# KiCad board AppleII.kicad_pcb (continued)
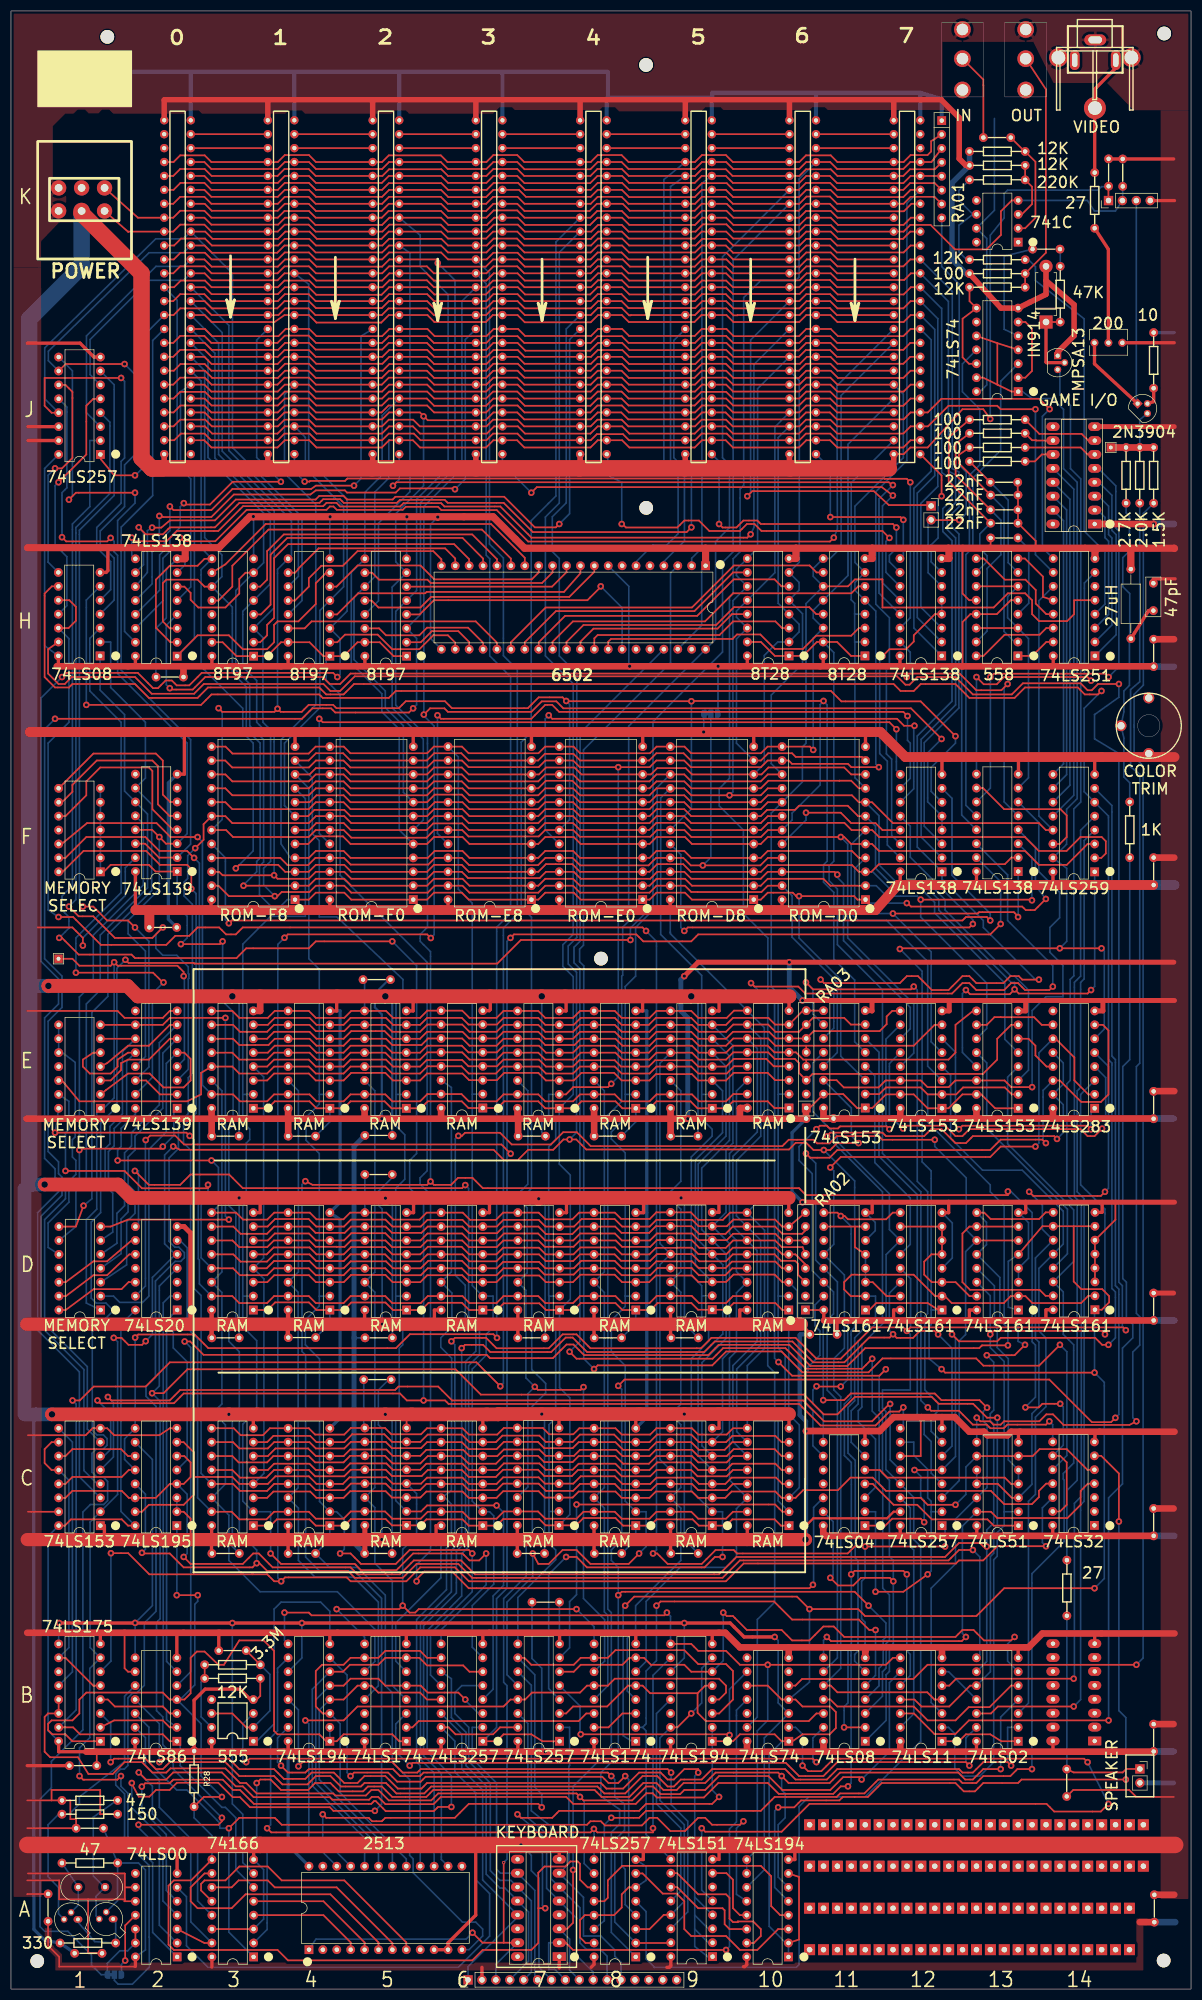
[diagram p0: board, top side]
## Footprints (pads in the part's own frame, mm; a bottom-side part is the same pattern mirrored in y, then rotated) (continued)
PinSocket_1x02_P2.54mm_Vertical
  rect 1.7x1.7 hole 1: 1(0,0)
  oval 1.7x1.7 hole 1: 2(0,-2.54)
Potentiometer_Bourns_3266Y_Vertical
  round 1.44 hole 0.8: 1(0,0) 2(-2.54,0) 3(-5.08,0)
POWER
  round 2.794 hole 1.397: 1(2.057,4.191) 2(-2.134,4.191) 3(2.057,0) 4(-2.159,0) 5(2.057,-4.191) 6(-2.159,-4.191)
R_Array_SIP8
  rect 1.6x1.6 hole 0.8: 1(0,0)
  oval 1.6x1.6 hole 0.8: 2(2.54,0) 3(5.08,0) 4(7.62,0) 5(10.16,0) 6(12.7,0) 7(15.24,0) 8(17.78,0)
R_Axial_DIN0207_L6.3mm_D2.5mm_P10.16mm_Horizontal
  round 1.6 hole 0.8: 1(0,0)
  oval 1.6x1.6 hole 0.8: 2(10.16,0)
SIP-24
  rect 2x2 hole 1: 1(-30.48,0) 2(-27.94,0) 3(-25.4,0) 4(-22.86,0) 5(-20.32,0) 6(-17.78,0) 7(-15.24,0) 8(-12.7,0) 9(-10.16,0) 10(-7.62,0) 11(-5.08,0) 12(-2.54,0) 13(0,0) 14(2.54,0) 15(5.08,0) 16(7.62,0) 17(10.16,0) 18(12.7,0) 19(15.24,0) 20(17.78,0) 21(20.32,0) 22(22.86,0) 23(25.4,0) 24(27.94,0)
SIP-25
  rect 2x2 hole 1: 1(-30.48,0) 2(-27.94,0) 3(-25.4,0) 4(-22.86,0) 5(-20.32,0) 6(-17.78,0) 7(-15.24,0) 8(-12.7,0) 9(-10.16,0) 10(-7.62,0) 11(-5.08,0) 12(-2.54,0) 13(0,0) 14(2.54,0) 15(5.08,0) 16(7.62,0) 17(10.16,0) 18(12.7,0) 19(15.24,0) 20(17.78,0) 21(20.32,0) 22(22.86,0) 23(25.4,0) 24(27.94,0) 25(30.48,0)
SolderJumper-3_P1.3mm_Bridged12_RoundedPad1.0x1.5mm
  custom 1.05x1.5 smd: 1(-1.3,0) 3(1.3,0)
  rect 1x1.5 smd: 2(0,0)
Standard_Edge_Connector
  round 1.524 hole 0.762: 1(2.54,-30.48) 2(2.54,-27.94) 3(2.54,-25.4) 4(2.54,-22.86) 5(2.54,-20.32) 6(2.54,-17.78) 7(2.54,-15.24) 8(2.54,-12.7) 9(2.54,-10.16) 10(2.54,-7.62) 11(2.54,-5.08) 12(2.54,-2.54) 13(2.54,0) 14(2.54,2.54) 15(2.54,5.08) 16(2.54,7.62) 17(2.54,10.16) 18(2.54,12.7) 19(2.54,15.24) 20(2.54,17.78) 21(2.54,20.32) 22(2.54,22.86) 23(2.54,25.4) 24(2.54,27.94) 25(2.54,30.48) 26(-2.311,30.48) 27(-2.311,27.94) 28(-2.311,25.4) 29(-2.311,22.86) 30(-2.311,20.32) 31(-2.311,17.78) 32(-2.311,15.24) 33(-2.311,12.7) 34(-2.311,10.16) 35(-2.311,7.62) 36(-2.311,5.08) 37(-2.311,2.54) 38(-2.311,0) 39(-2.311,-2.54) 40(-2.311,-5.08) 41(-2.311,-7.62) 42(-2.311,-10.16) 43(-2.311,-12.7) 44(-2.311,-15.24) 45(-2.311,-17.78) 46(-2.311,-20.32) 47(-2.311,-22.86) 48(-2.311,-25.4) 49(-2.311,-27.94) 50(-2.311,-30.48)
TestPoint_THTPad_1.5x1.5mm_Drill0.7mm
  rect 1.5x1.5 hole 0.7: 1(0,0)
TO-18-3
  oval 1.6x1.2 hole 0.7: 1(0,0)
  oval 1.2x1.2 hole 0.7: 2(1.27,-1.27) 3(2.54,0)
TO-92
  rect 1.3x1.3 hole 0.75: 1(0,0)
  round 1.3 hole 0.75: 2(1.27,1.27) 3(2.54,0)
VIDEO
  round 3.4 hole 2.5: 1(-6.68,3.353) 1(6.655,3.353)
  oval 4x2 hole 2.5x1.3: 1(-0.084,0.125)
  oval 1.8x3.6 hole 1x2.5: 2(-3.834,3.825) 3(3.666,3.825)
  round 4 hole 2.5: 2(-0.025,12.573)

## Nets
+5V: A2.14 A3.16 A5.24 A7.1 A8.16 A9.16 A10.16 B1.16 B2.14 B3.4 B3.8 B4.16 B5.16 B6.16 B7.16 B8.16 B9.16 B10.14 B11.14 B12.14 B13.14 B14.16 C1.16 C2.16 C3.9 C4.9 C5.9 C6.9 C7.9 C8.9 C9.9 C10.9 C11.14 C12.16 C13.14 C14.14 Cap1.1 Cap4.2 Cap16.2 Cap17.2 Cap18.2 Cap19.2 Cap27.2 Cap32.2 Cap33.2 Cap35.2 Cap41.2 Cap42.2 Cap43.2 Cap44.2 Cap45.2 Cap46.2 Cap47.2 Cap49.2 CP0.3 D2.14 D3.9 D4.9 D5.9 D6.9 D7.9 D8.9 D9.9 D10.9 D11.16 D12.16 D13.16 D14.16 E2.16 E3.9 E4.9 E5.9 E6.9 E7.9 E8.9 E9.9 E10.9 E11.16 E12.16 E13.16 E14.16 F2.16 F12.16 F13.16 F14.16 H1.14 H2.16 H3.16 H4.16 H5.16 H7.8 H10.16 H11.16 H12.16 H13.5 H13.13 H14.16 J1.16 J3.2 J13.14 J14.1 JP2.3 K13.7 Q1.2 R4.1 R9.1 R12.2 R28.1 RA01.1 RA02.1 ROM-D0.24 ROM-D8.24 ROM-E0.24 ROM-E8.24 ROM-F0.24 ROM-F8.24 SLOT0.25 SLOT1.25 SLOT2.25 SLOT3.25 SLOT4.25 SLOT5.25 SLOT6.25 SLOT7.25 SPKR1.2
+12V: C3.8 C4.8 C5.8 C6.8 C7.8 C8.8 C9.8 C10.8 Cap3.2 Cap14.2 Cap20.2 Cap22.2 Cap24.2 Cap25.2 Cap28.2 Cap29.2 Cap31.2 Cap34.2 Cap37.2 Cap38.2 Cap40.2 Cap48.1 CP0.4 D3.8 D4.8 D5.8 D6.8 D7.8 D8.8 D9.8 D10.8 E3.8 E4.8 E5.8 E6.8 E7.8 E8.8 E9.8 E10.8 J18.1 R1.1 SLOT0.50 SLOT1.50 SLOT2.50 SLOT3.50 SLOT4.50 SLOT5.50 SLOT6.50 SLOT7.50
-5V: A5.12 C3.1 C4.1 C5.1 C6.1 C7.1 C8.1 C9.1 C10.1 Cap13.2 Cap21.2 Cap23.2 Cap26.2 Cap30.2 Cap36.2 Cap39.2 CP0.6 D3.1 D4.1 D5.1 D6.1 D7.1 D8.1 D9.1 D10.1 E3.1 E4.1 E5.1 E6.1 E7.1 E8.1 E9.1 E10.1 J18.2 K13.4 SLOT0.34 SLOT1.34 SLOT2.34 SLOT3.34 SLOT4.34 SLOT5.34 SLOT6.34 SLOT7.34
-12V: A5.1 A7.15 CP0.5 J3.3 SLOT0.33 SLOT1.33 SLOT2.33 SLOT3.33 SLOT4.33 SLOT5.33 SLOT6.33 SLOT7.33
/Clock Generation/V0: D12.12 E11.4
/Clock Generation/V1: C11.3 D12.11 E11.12
/Clock Generation/V2: B12.3 C13.12 D11.14 E12.10
/Clock Generation/V3: B11.9 D11.13 E14.7 E14.14
/Clock Generation/V4: B11.10 B12.4 D11.12 E14.2 E14.11
GND: A2.7 A2.9 A2.10 A3.3 A3.8 A3.14 A5.10 A5.11 A7.8 A8.6 A8.8 A8.13 A8.15 A9.8 A10.8 B1.8 B2.7 B2.9 B3.1 B4.8 B5.8 B6.8 B7.8 B8.8 B9.8 B10.7 B11.7 B12.7 B13.7 B14.8 C1.1 C1.8 C1.15 C2.2 C2.3 C2.8 C3.16 C4.16 C5.16 C6.16 C7.16 C8.16 C9.16 C10.16 C11.7 C12.8 C12.11 C12.15 C13.7 C14.7 Cap1.2 Cap2.2 Cap3.1 Cap4.1 Cap5.2 Cap6.2 Cap7.2 Cap8.2 Cap9.2 Cap12.2 Cap13.1 Cap14.1 Cap15.1 Cap16.1 Cap17.1 Cap18.1 Cap19.1 Cap20.1 Cap21.1 Cap22.1 Cap23.1 Cap24.1 Cap25.1 Cap26.1 Cap27.1 Cap28.1 Cap29.1 Cap30.1 Cap31.1 Cap32.1 Cap33.1 Cap34.1 Cap35.1 Cap36.1 Cap37.1 Cap38.1 Cap39.1 Cap40.1 Cap41.1 Cap42.1 Cap43.1 Cap44.1 Cap45.1 Cap46.1 Cap47.1 Cap48.2 Cap49.1 CP0.1 CP0.2 CR1.2 CT3.1 D2.7 D3.16 D4.16 D5.16 D6.16 D7.16 D8.16 D9.16 D10.16 D11.6 D11.8 D12.4 D12.8 D13.3 D13.4 D13.8 D14.3 D14.4 D14.5 D14.6 D14.8 E2.8 E3.16 E4.16 E5.16 E6.16 E7.16 E8.16 E9.16 E10.16 E11.1 E11.8 E11.15 E12.1 E12.8 E12.15 E13.1 E13.8 E13.15 E14.8 F2.8 F2.15 F12.8 F13.8 F14.8 H1.7 H2.8 H3.8 H4.8 H5.8 H7.1 H7.21 H7.38 H10.8 H11.8 H12.8 H13.12 H14.8 J0.S J1.8 J1.14 J1.15 J2.S J3.7 J13.7 J14.8 J18.4 JP2.1 K14.1 L1.2 Q4.1 R2.2 R3.2 R11.3 R16.1 R17.1 R18.1 RA03.1 ROM-D0.12 ROM-D8.12 ROM-E0.12 ROM-E8.12 ROM-F0.12 ROM-F8.12 SLOT0.26 SLOT1.26 SLOT2.26 SLOT3.26 SLOT4.26 SLOT5.26 SLOT6.26 SLOT7.26
7M: A3.6 B1.15 B2.1 SLOT0.36 SLOT1.36 SLOT2.36 SLOT3.36 SLOT4.36 SLOT5.36 SLOT6.36 SLOT7.36
14M: A3.7 A10.11 B1.9 B2.8 B4.11 B9.11 B10.3 C2.10
/Address Decoder and Onboard IO/CASSETTE_IN: H14.4 R29.2
/Address Decoder and Onboard IO/Cassette_Out: F13.13 J13.11
/Address Decoder and Onboard IO/GamePort_ANN0: F14.9 J14.15
/Address Decoder and Onboard IO/GamePort_ANN1: F14.10 J14.14
/Address Decoder and Onboard IO/GamePort_ANN2: F14.11 J14.13
/Address Decoder and Onboard IO/GamePort_ANN3: F14.12 J14.12
/Address Decoder and Onboard IO/KBD0: A7.12 B6.11 J3.4
/Address Decoder and Onboard IO/KBD1: A7.13 B6.14 J3.1
/Address Decoder and Onboard IO/KBD2: A7.10 B6.2 J3.6
/Address Decoder and Onboard IO/KBD3: A7.11 B6.5 J3.5
/Address Decoder and Onboard IO/KBD4: A7.6 B7.11 J3.11
/Address Decoder and Onboard IO/KBD5: A7.5 B7.14 J3.10
/Address Decoder and Onboard IO/KBD6: A7.7 B7.2 J3.12
/Address Decoder and Onboard IO/PDL0: J14.6 R20.1
/Address Decoder and Onboard IO/PDL1: J14.10 R21.1
/Address Decoder and Onboard IO/PDL2: J14.7 R22.1
/Address Decoder and Onboard IO/PDL3: J14.11 R23.1
/Address Decoder and Onboard IO/SPKR_Out: F13.12 J13.3
/Address Decoder and Onboard IO/~{C000-C0FF}: F13.5 H2.4 H12.15
/Address Decoder and Onboard IO/~{GamePort_Strobe}: F13.11 J14.5
/Clock Generation/B1-1Q: B1.2 B2.2 D2.2
/Clock Generation/H0: A8.14 D14.14 E13.4
/Clock Generation/H1: D14.13 E13.12
/Clock Generation/H2: B13.3 D14.12 E12.4
/Clock Generation/H3: C13.3 C13.10 C13.11 D14.11 E14.5
/Clock Generation/H4: B12.2 C13.2 D13.14 E14.3
/Clock Generation/H5: C11.5 C13.4 C13.5 D13.13
/Connectors/DMA-OUT-3: SLOT3.24 SLOT4.27
/Connectors/INT-OUT-3: SLOT3.23 SLOT4.28
/CPU Tranceiver Driver and Data MUX/CPU_A0: H5.12 H7.9
/CPU Tranceiver Driver and Data MUX/CPU_A1: H4.4 H7.10
/CPU Tranceiver Driver and Data MUX/CPU_A2: H5.6 H7.11
/CPU Tranceiver Driver and Data MUX/CPU_A3: H5.10 H7.12
/CPU Tranceiver Driver and Data MUX/CPU_A4: H4.6 H7.13
/CPU Tranceiver Driver and Data MUX/CPU_A5: H3.10 H7.14
/CPU Tranceiver Driver and Data MUX/CPU_A6: H3.12 H7.15
/CPU Tranceiver Driver and Data MUX/CPU_A7: H3.6 H7.16
/CPU Tranceiver Driver and Data MUX/CPU_A8: H3.4 H7.17
/CPU Tranceiver Driver and Data MUX/CPU_A9: H3.2 H7.18
/CPU Tranceiver Driver and Data MUX/CPU_A10: H4.10 H7.19
/CPU Tranceiver Driver and Data MUX/CPU_A11: H4.12 H7.20
/CPU Tranceiver Driver and Data MUX/CPU_A12: H4.2 H7.22
/CPU Tranceiver Driver and Data MUX/CPU_A13: H5.2 H7.23
/CPU Tranceiver Driver and Data MUX/CPU_A14: H5.14 H7.24
/CPU Tranceiver Driver and Data MUX/CPU_A15: H4.14 H7.25
/CPU Tranceiver Driver and Data MUX/CPU_D0: H7.33 H11.3
/CPU Tranceiver Driver and Data MUX/CPU_D1: H7.32 H10.3
/CPU Tranceiver Driver and Data MUX/CPU_D2: H7.31 H10.13
/CPU Tranceiver Driver and Data MUX/CPU_D3: H7.30 H11.13
/CPU Tranceiver Driver and Data MUX/CPU_D4: H7.29 H11.6
/CPU Tranceiver Driver and Data MUX/CPU_D5: H7.28 H10.6
/CPU Tranceiver Driver and Data MUX/CPU_D6: H7.27 H10.10
/CPU Tranceiver Driver and Data MUX/CPU_D7: H7.26 H11.10
/CPU Tranceiver Driver and Data MUX/CPU_RW: H5.4 H7.34
/CPU Tranceiver Driver and Data MUX/LD0: A5.17 B4.3 B5.10 B6.10
/CPU Tranceiver Driver and Data MUX/LD1: A5.18 B4.4 B5.12 B6.13
/CPU Tranceiver Driver and Data MUX/LD2: A5.19 B4.5 B5.5 B6.3
/CPU Tranceiver Driver and Data MUX/LD3: A5.20 B4.6 B5.7 B6.6
/CPU Tranceiver Driver and Data MUX/LD4: A5.21 B7.10 B8.10 B9.3
/CPU Tranceiver Driver and Data MUX/LD5: A5.22 B7.13 B8.12 B9.4
/CPU Tranceiver Driver and Data MUX/LD6: B7.3 B8.5 B9.5 B11.12
/CPU Tranceiver Driver and Data MUX/LD7: B7.6 B8.7 B9.6 B13.6
/RAM and Data Latch/A8-6: B5.2 B8.14
/RAM and Data Latch/RDO0: B5.11 C3.14 D3.14 E3.14
/RAM and Data Latch/RDO1: B5.13 C4.14 D4.14 E4.14
/RAM and Data Latch/RDO2: B5.4 C5.14 D5.14 E5.14
/RAM and Data Latch/RDO3: B5.6 C6.14 D6.14 E6.14
/RAM and Data Latch/RDO4: B8.11 C7.14 D7.14 E7.14
/RAM and Data Latch/RDO5: B8.13 C8.14 D8.14 E8.14
/RAM and Data Latch/RDO6: B8.4 C9.14 D9.14 E9.14
/RAM and Data Latch/RDO7: B8.6 C10.14 D10.14 E10.14
/ROM/Vpp: JP2.2 ROM-D0.21 ROM-D8.21 ROM-E0.21 ROM-E8.21 ROM-F0.21 ROM-F8.21
/Video Generation/A3-1: A3.1 A10.12 B2.12
/Video Generation/A3-2: A3.2 A10.6 B13.4
/Video Generation/A8-3-A9-B9: A8.3 A9.13 B9.7 B9.15
/Video Generation/B9-13: A9.12 B9.13
/Video Generation/C14-6: A10.5 C14.6
/Video Generation/Color_Burst: Q3.3 R6.2 R7.1 R8.1 TP2.1
/Video Generation/SYNC: C13.8 R8.2
/Video Generation/Text_Video: A9.1 A9.2 A9.3 A9.4 B2.11
/Video Generation/VIDEO_DATA: B10.5 R7.2
A0: E13.3 F14.13 H5.11 H14.11 ROM-D0.8 ROM-D8.8 ROM-E0.8 ROM-E8.8 ROM-F0.8 ROM-F8.8 SLOT0.2 SLOT1.2 SLOT2.2 SLOT3.2 SLOT4.2 SLOT5.2 SLOT6.2 SLOT7.2
A1: E13.13 F14.1 H4.5 H14.10 ROM-D0.7 ROM-D8.7 ROM-E0.7 ROM-E8.7 ROM-F0.7 ROM-F8.7 SLOT0.3 SLOT1.3 SLOT2.3 SLOT3.3 SLOT4.3 SLOT5.3 SLOT6.3 SLOT7.3
A2: E12.3 F14.2 H5.7 H14.9 ROM-D0.6 ROM-D8.6 ROM-E0.6 ROM-E8.6 ROM-F0.6 ROM-F8.6 SLOT0.4 SLOT1.4 SLOT2.4 SLOT3.4 SLOT4.4 SLOT5.4 SLOT6.4 SLOT7.4
A3: E12.13 F14.3 H5.9 ROM-D0.5 ROM-D8.5 ROM-E0.5 ROM-E8.5 ROM-F0.5 ROM-F8.5 SLOT0.5 SLOT1.5 SLOT2.5 SLOT3.5 SLOT4.5 SLOT5.5 SLOT6.5 SLOT7.5
A4: E12.5 F13.1 H2.1 H4.7 ROM-D0.4 ROM-D8.4 ROM-E0.4 ROM-E8.4 ROM-F0.4 ROM-F8.4 SLOT0.6 SLOT1.6 SLOT2.6 SLOT3.6 SLOT4.6 SLOT5.6 SLOT6.6 SLOT7.6
A5: E13.5 F13.2 H2.2 H3.9 ROM-D0.3 ROM-D8.3 ROM-E0.3 ROM-E8.3 ROM-F0.3 ROM-F8.3 SLOT0.7 SLOT1.7 SLOT2.7 SLOT3.7 SLOT4.7 SLOT5.7 SLOT6.7 SLOT7.7
A6: E13.11 F13.3 H2.3 H3.11 ROM-D0.2 ROM-D8.2 ROM-E0.2 ROM-E8.2 ROM-F0.2 ROM-F8.2 SLOT0.8 SLOT1.8 SLOT2.8 SLOT3.8 SLOT4.8 SLOT5.8 SLOT6.8 SLOT7.8
A7: E11.3 F13.4 H2.6 H3.7 ROM-D0.1 ROM-D8.1 ROM-E0.1 ROM-E8.1 ROM-F0.1 ROM-F8.1 SLOT0.9 SLOT1.9 SLOT2.9 SLOT3.9 SLOT4.9 SLOT5.9 SLOT6.9 SLOT7.9
A8: E11.13 H3.5 H12.1 ROM-D0.23 ROM-D8.23 ROM-E0.23 ROM-E8.23 ROM-F0.23 ROM-F8.23 SLOT0.10 SLOT1.10 SLOT2.10 SLOT3.10 SLOT4.10 SLOT5.10 SLOT6.10 SLOT7.10
A9: E12.11 H3.3 H12.2 ROM-D0.22 ROM-D8.22 ROM-E0.22 ROM-E8.22 ROM-F0.22 ROM-F8.22 SLOT0.11 SLOT1.11 SLOT2.11 SLOT3.11 SLOT4.11 SLOT5.11 SLOT6.11 SLOT7.11
A10: E11.5 H4.9 H12.3 ROM-D0.19 ROM-D8.19 ROM-E0.19 ROM-E8.19 ROM-F0.19 ROM-F8.19 SLOT0.12 SLOT1.12 SLOT2.12 SLOT3.12 SLOT4.12 SLOT5.12 SLOT6.12 SLOT7.12
A11: E11.11 F12.1 H4.11 SLOT0.13 SLOT1.13 SLOT2.13 SLOT3.13 SLOT4.13 SLOT5.13 SLOT6.13 SLOT7.13
A12: C1.3 F12.2 H4.3 J1.6 SLOT0.14 SLOT1.14 SLOT2.14 SLOT3.14 SLOT4.14 SLOT5.14 SLOT6.14 SLOT7.14
A13: C1.4 F12.3 H5.3 J1.3 SLOT0.15 SLOT1.15 SLOT2.15 SLOT3.15 SLOT4.15 SLOT5.15 SLOT6.15 SLOT7.15
A14: H1.4 H5.13 J1.10 SLOT0.16 SLOT1.16 SLOT2.16 SLOT3.16 SLOT4.16 SLOT5.16 SLOT6.16 SLOT7.16
A15: H1.5 H4.13 J1.13 SLOT0.17 SLOT1.17 SLOT2.17 SLOT3.17 SLOT4.17 SLOT5.17 SLOT6.17 SLOT7.17
AX: B13.9 C1.14 C2.4 C2.6 C2.14 E11.2 E12.2 E13.2
B5-3: B5.3 B13.13
B11-5: A9.9 B8.2 B11.5
C1-5: C1.5 C12.12
C1-6: C1.6 C12.9 J1.2
COLOR_REF: B1.3 B13.2
CRA6: C3.13 C4.13 C5.13 C6.13 C7.13 C8.13 C9.13 C10.13 E1.14
D0: B6.9 C3.2 D3.2 E3.2 H11.2 H11.4 ROM-D0.9 ROM-D8.9 ROM-E0.9 ROM-E8.9 ROM-F0.9 ROM-F8.9 SLOT0.49 SLOT1.49 SLOT2.49 SLOT3.49 SLOT4.49 SLOT5.49 SLOT6.49 SLOT7.49
D1: B6.12 C4.2 D4.2 E4.2 H10.2 H10.4 ROM-D0.10 ROM-D8.10 ROM-E0.10 ROM-E8.10 ROM-F0.10 ROM-F8.10 SLOT0.48 SLOT1.48 SLOT2.48 SLOT3.48 SLOT4.48 SLOT5.48 SLOT6.48 SLOT7.48
D2: B6.4 C5.2 D5.2 E5.2 H10.12 H10.14 ROM-D0.11 ROM-D8.11 ROM-E0.11 ROM-E8.11 ROM-F0.11 ROM-F8.11 SLOT0.47 SLOT1.47 SLOT2.47 SLOT3.47 SLOT4.47 SLOT5.47 SLOT6.47 SLOT7.47
D3: B6.7 C6.2 D6.2 E6.2 H11.12 H11.14 ROM-D0.13 ROM-D8.13 ROM-E0.13 ROM-E8.13 ROM-F0.13 ROM-F8.13 SLOT0.46 SLOT1.46 SLOT2.46 SLOT3.46 SLOT4.46 SLOT5.46 SLOT6.46 SLOT7.46
D4: B7.9 C7.2 D7.2 E7.2 H11.5 H11.7 ROM-D0.14 ROM-D8.14 ROM-E0.14 ROM-E8.14 ROM-F0.14 ROM-F8.14 SLOT0.45 SLOT1.45 SLOT2.45 SLOT3.45 SLOT4.45 SLOT5.45 SLOT6.45 SLOT7.45
D5: B7.12 C8.2 D8.2 E8.2 H10.5 H10.7 ROM-D0.15 ROM-D8.15 ROM-E0.15 ROM-E8.15 ROM-F0.15 ROM-F8.15 SLOT0.44 SLOT1.44 SLOT2.44 SLOT3.44 SLOT4.44 SLOT5.44 SLOT6.44 SLOT7.44
D6: B7.4 C9.2 D9.2 E9.2 H10.9 H10.11 ROM-D0.16 ROM-D8.16 ROM-E0.16 ROM-E8.16 ROM-F0.16 ROM-F8.16 SLOT0.43 SLOT1.43 SLOT2.43 SLOT3.43 SLOT4.43 SLOT5.43 SLOT6.43 SLOT7.43
D7: B7.7 C10.2 D10.2 E10.2 H11.9 H11.11 H14.5 ROM-D0.17 ROM-D8.17 ROM-E0.17 ROM-E8.17 ROM-F0.17 ROM-F8.17 SLOT0.42 SLOT1.42 SLOT2.42 SLOT3.42 SLOT4.42 SLOT5.42 SLOT6.42 SLOT7.42
DRA6: D3.13 D4.13 D5.13 D6.13 D7.13 D8.13 D9.13 D10.13 E1.13
ERA6: E1.12 E3.13 E4.13 E5.13 E6.13 E7.13 E8.13 E9.13 E10.13
HBL: B12.13 C12.14 C13.6 C13.9 C14.5
HIRES: B11.6 C12.1 H1.10 H1.12
INH: JP1.2 ROM-D0.18 ROM-D8.18 ROM-E0.18 ROM-E8.18 ROM-F0.18 ROM-F8.18
KBD_STB: B7.5 B10.9
LD194: A10.9 A10.10 B4.9 B9.9 B12.8
MemSelE1: C1.7 E1.8 E1.9 E1.10
NC1: SLOT0.19 SLOT1.19 SLOT2.19 SLOT3.19 SLOT4.19 SLOT5.19 SLOT6.19 SLOT7.19
NC2: SLOT0.35 SLOT1.35 SLOT2.35 SLOT3.35 SLOT4.35 SLOT5.35 SLOT6.35 SLOT7.35
PHI0: A2.1 B1.7 B11.2 B12.10 C1.2 D2.5 E11.14 E12.14 E13.14 F13.6 J1.1 SLOT0.40 SLOT1.40 SLOT2.40 SLOT3.40 SLOT4.40 SLOT5.40 SLOT6.40 SLOT7.40
PHI1: B1.6 C14.12 F12.4 F12.5 H2.5 SLOT0.38 SLOT1.38 SLOT2.38 SLOT3.38 SLOT4.38 SLOT5.38 SLOT6.38 SLOT7.38
Q3: C1.13 C2.9 C2.12 SLOT0.37 SLOT1.37 SLOT2.37 SLOT3.37 SLOT4.37 SLOT5.37 SLOT6.37 SLOT7.37
RA0: C3.10 C4.10 C5.10 C6.10 C7.10 C8.10 C9.10 C10.10 D3.10 D4.10 D5.10 D6.10 D7.10 D8.10 D9.10 D10.10 E3.10 E4.10 E5.10 E6.10 E7.10 E8.10 E9.10 E10.10 E11.7 RA02.7 RA03.7
RA1: C3.11 C4.11 C5.11 C6.11 C7.11 C8.11 C9.11 C10.11 D3.11 D4.11 D5.11 D6.11 D7.11 D8.11 D9.11 D10.11 E3.11 E4.11 E5.11 E6.11 E7.11 E8.11 E9.11 E10.11 E12.7 RA02.5 RA03.5
RA01-8: H12.6 JP-User1.2 RA01.8
RA2: C3.12 C4.12 C5.12 C6.12 C7.12 C8.12 C9.12 C10.12 D3.12 D4.12 D5.12 D6.12 D7.12 D8.12 D9.12 D10.12 E3.12 E4.12 E5.12 E6.12 E7.12 E8.12 E9.12 E10.12 E13.7 RA02.3 RA03.3
RA3: C3.7 C4.7 C5.7 C6.7 C7.7 C8.7 C9.7 C10.7 D3.7 D4.7 D5.7 D6.7 D7.7 D8.7 D9.7 D10.7 E3.7 E4.7 E5.7 E6.7 E7.7 E8.7 E9.7 E10.7 E11.9 RA02.8 RA03.8
RA4: C3.6 C4.6 C5.6 C6.6 C7.6 C8.6 C9.6 C10.6 D3.6 D4.6 D5.6 D6.6 D7.6 D8.6 D9.6 D10.6 E3.6 E4.6 E5.6 E6.6 E7.6 E8.6 E9.6 E10.6 E12.9 RA02.6 RA03.6
RA5: C3.5 C4.5 C5.5 C6.5 C7.5 C8.5 C9.5 C10.5 D3.5 D4.5 D5.5 D6.5 D7.5 D8.5 D9.5 D10.5 E3.5 E4.5 E5.5 E6.5 E7.5 E8.5 E9.5 E10.5 E13.9 RA02.4 RA03.4
RDY: H7.2 RA01.5 SLOT0.21 SLOT1.21 SLOT2.21 SLOT3.21 SLOT4.21 SLOT5.21 SLOT6.21 SLOT7.21
ROM_SELECT_D0: F12.13 ROM-D0.20
ROM_SELECT_D8: F12.12 ROM-D8.20
ROM_SELECT_E0: F12.11 ROM-E0.20
ROM_SELECT_E8: F12.10 ROM-E8.20
ROM_SELECT_F0: F12.9 ROM-F0.20
ROM_SELECT_F8: F12.7 ROM-F8.20
RRW: C3.3 C4.3 C5.3 C6.3 C7.3 C8.3 C9.3 C10.3 C14.11 D3.3 D4.3 D5.3 D6.3 D7.3 D8.3 D9.3 D10.3 E3.3 E4.3 E5.3 E6.3 E7.3 E8.3 E9.3 E10.3
R~{W}: A2.4 C14.9 C14.13 H5.5 SLOT0.18 SLOT1.18 SLOT2.18 SLOT3.18 SLOT4.18 SLOT5.18 SLOT6.18 SLOT7.18
SOFT5: A3.9 A8.11 A10.1 A10.2 A10.7 B1.1 B2.4 B4.1 B4.2 B5.1 B8.1 B9.1 B9.2 B10.1 B10.4 B10.10 C2.1 D11.1 D12.1 D13.1 D13.5 D14.1 D14.7 D14.10 E14.6 F14.15 J13.1 J13.4 J13.10 J13.13 R28.2
SS-GR_~{TXT}: B13.12 F14.4
SS-HI_~{LORES}: A8.1 B11.4 F14.7
SS-Mix_~{NoMix}: B12.5 F14.5
SS-PG2_~{PG1}: C11.1 C12.5 F14.6 H1.9
USER-1: JP-User1.1 SLOT0.39 SLOT1.39 SLOT2.39 SLOT3.39 SLOT4.39 SLOT5.39 SLOT6.39 SLOT7.39
VA: A5.14 C12.3 D13.6 D13.11
VB: A5.15 C12.6 D12.14
VC: A5.16 A8.5 C12.13 D12.13 H1.13
~{7M}: A8.10 B1.13 B1.14 B12.9
~{C000-C7FF}: F12.15 H12.4 H12.5
~{CAS}: B13.8 C2.13 F1.1 F1.2 F1.3 F1.4 F1.5 F1.6 F1.7 F2.1
~{CCAS}: C3.15 C4.15 C5.15 C6.15 C7.15 C8.15 C9.15 C10.15 F1.14
~{CLR_STB}: B10.13 F13.14
~{DCAS}: D3.15 D4.15 D5.15 D6.15 D7.15 D8.15 D9.15 D10.15 F1.13
~{DEV-SEL-0}: H2.15 SLOT0.41
~{DEV-SEL-1}: H2.14 SLOT1.41
~{DEV-SEL-2}: H2.13 SLOT2.41
~{DEV-SEL-3}: H2.12 SLOT3.41
~{DEV-SEL-4}: H2.11 SLOT4.41
~{DEV-SEL-5}: H2.10 SLOT5.41
~{DEV-SEL-6}: H2.9 SLOT6.41
~{DEV-SEL-7}: H2.7 SLOT7.41
~{DMA}: B11.1 C11.13 RA01.3 SLOT0.22 SLOT1.22 SLOT2.22 SLOT3.22 SLOT4.22 SLOT5.22 SLOT6.22 SLOT7.22
~{ECAS}: E3.15 E4.15 E5.15 E6.15 E7.15 E8.15 E9.15 E10.15 F1.12
~{INH}: A2.12 A2.13 JP1.1 RA01.7 SLOT0.32 SLOT1.32 SLOT2.32 SLOT3.32 SLOT4.32 SLOT5.32 SLOT6.32 SLOT7.32
~{IO-SELECT-1}: H12.14 SLOT1.1
~{IO-SELECT-2}: H12.13 SLOT2.1
~{IO-SELECT-3}: H12.12 SLOT3.1
~{IO-SELECT-4}: H12.11 SLOT4.1
~{IO-SELECT-5}: H12.10 SLOT5.1
~{IO-SELECT-6}: H12.9 SLOT6.1
~{IO-SELECT-7}: H12.7 SLOT7.1
~{IO_STB}: F12.14 SLOT0.20 SLOT1.20 SLOT2.20 SLOT3.20 SLOT4.20 SLOT5.20 SLOT6.20 SLOT7.20
~{IRQ}: H7.4 RA01.4 SLOT0.30 SLOT1.30 SLOT2.30 SLOT3.30 SLOT4.30 SLOT5.30 SLOT6.30 SLOT7.30
~{KBD}: B6.1 B7.1 D2.13 F13.15
~{LDPS}: A2.3 A3.15 D11.2 D12.2 D13.2 D14.2
~{NMI}: H7.6 RA01.2 SLOT0.29 SLOT1.29 SLOT2.29 SLOT3.29 SLOT4.29 SLOT5.29 SLOT6.29 SLOT7.29
~{RAM_SEL}: A2.6 B6.15 B7.15
~{RAS}: B5.9 B8.9 C2.7 C2.15 C3.4 C4.4 C5.4 C6.4 C7.4 C8.4 C9.4 C10.4 D3.4 D4.4 D5.4 D6.4 D7.4 D8.4 D9.4 D10.4 E3.4 E4.4 E5.4 E6.4 E7.4 E8.4 E9.4 E10.4
~{RESET}: A7.3 H7.40 J3.9 RA01.6 SLOT0.31 SLOT1.31 SLOT2.31 SLOT3.31 SLOT4.31 SLOT5.31 SLOT6.31 SLOT7.31
Net-(A2-Pad2): A2.2 B12.11 B13.10 D2.4
Net-(A2-Pad5): A2.5 D2.8
Net-(A3-C): A3.4 A5.4
Net-(A3-D): A3.5 A5.5
Net-(A3-E): A3.10 A5.6
Net-(A3-F): A3.11 A5.7
Net-(A3-G): A3.12 A5.8
Net-(A3-Qh): A3.13 B2.13
Net-(A7-STROBE): A7.2 B10.11 J3.8
Net-(A8-I0a): A8.2 A9.15 B4.15
Net-(A8-Za): A8.4 B4.7
Net-(A8-Zd): A8.9 B4.10 B9.10
Net-(A9-I5): A9.14 B4.13
Net-(A9-Z): A9.5 B10.2
Net-(A10-P0): A8.7 A10.3
Net-(A10-P1): A8.12 A10.4
Net-(A10-Q0): A9.10 A10.15
Net-(A10-Q1): A9.11 A10.14
Net-(A10-Q2): A9.7 A10.13
Net-(B1-1D): B1.4 B2.3
Net-(B1-2D): B1.5 B1.10 C1.10 C1.12
Net-(B1-3D): B1.12 C1.9
Net-(B2-Pad6): B2.6 D2.1
Net-(B3-DISCH): B3.7 R12.1 R13.2
Net-(B3-OUT): B3.3 B11.13
Net-(B3-THRES): B3.2 B3.6 Cap15.2 R13.1
Net-(B8-D0): B8.3 B8.15
Net-(B11-Pad8): B11.8 C13.13 C14.4
Net-(B11-Pad11): B11.11 B13.5
Net-(B12-Pad1): B12.1 B13.1
Net-(B12-Pad6): B12.6 B13.11
Net-(B12-Pad12): B12.12 R5.1
Net-(C1-I1b): C1.11 C2.11
Net-(C2-P1): C2.5 D2.6
Net-(C11-Pad4): C11.4 C13.1
Net-(C12-I0a): C11.2 C12.2 C12.10
Net-(C12-Za): C12.4 E11.6
Net-(C12-Zb): C12.7 E11.10
Net-(Cap10-Pad1): Cap10.1 J0.T
Net-(Cap11-Pad2): Cap11.2 R24.2
Net-(Cap12-Pad1): Cap12.1 R25.1 SPKR1.1
Net-(CR1-K): CR1.1 Q4.2 R24.1
Net-(CT3-Pad2): Cap2.1 CT3.2 L1.1 R5.2 R6.1
Net-(D1-Pad12): D1.12 D2.9
Net-(D1-Pad13): D1.13 D2.10
Net-(D1-Pad14): D1.14 D2.12
Net-(D11-CEP): D11.3 D11.4 D11.5 D11.7 D11.10 D12.15
Net-(D11-TC): C11.9 D11.15
Net-(D11-~{PE}): C11.8 D11.9 D12.9
Net-(D12-CEP): D12.3 D12.5 D12.6 D12.7 D12.10 D13.15
Net-(D13-CEP): D13.7 D13.10 D14.15
Net-(D13-Q2): B2.5 D13.9 D13.12 D14.9
Net-(E2A-A0): E2.2 E2.14 J1.7
Net-(E2A-A1): E2.3 J1.4
Net-(E2A-E): D1.10 E2.1 F2.12
Net-(E2A-O0): D1.1 E1.1 E2.4 TP1.1
Net-(E2A-O1): D1.2 E1.2 E2.5
Net-(E2A-O2): D1.3 E1.3 E2.6
Net-(E2A-O3): D1.4 E1.4 E2.7
Net-(E2B-A1): E2.13 F2.3 F2.13 J1.12
Net-(E2B-E): E2.15 H1.3
Net-(E2B-O0): D1.5 E1.5 E2.12
Net-(E2B-O1): D1.6 E1.6 E2.11
Net-(E2B-O2): D1.7 E1.7 E2.10
Net-(E12-I0a): E12.6 E14.1
Net-(E12-I2b): E12.12 E14.4
Net-(E13-I0a): E13.6 E14.13
Net-(E13-I0b): E13.10 E14.10
Net-(E14-A4): C11.6 E14.12 E14.15
Net-(F2A-A0): F2.2 F2.14 J1.9
Net-(F2A-O0): F1.10 F2.4
Net-(F2A-O1): F1.9 F2.5
Net-(F2A-O2): F1.8 F2.6
Net-(F2B-O1): D1.9 F2.11 H1.1
Net-(F2B-O2): D1.8 F2.10 H1.2
Net-(F12-E3): F12.6 H1.6
Net-(F13-O5): F13.10 F14.14
Net-(F13-O6): F13.9 H14.7
Net-(F13-O7): F13.7 H13.3 H13.6 H13.11 H13.14
Net-(H3-DIS1): C11.12 H3.1 H3.15 H4.1 H4.15 H5.1 H5.15
Net-(H7-Phi0): B11.3 H7.37
Net-(H7-Phi1): C14.10 H7.3
Net-(H10-Driver_Ena): C14.8 H10.1 H10.15 H11.1 H11.15
Net-(H13-Ctrl_Volt): Cap9.1 H13.4
Net-(H13-OutA): H13.1 H14.15
Net-(H13-OutB): H13.8 H14.12
Net-(H13-OutC): H13.9 H14.13
Net-(H13-OutD): H13.16 H14.14
Net-(H13-TimingA): Cap8.1 H13.2 R20.2
Net-(H13-TimingB): Cap7.1 H13.7 R23.2
Net-(H13-TimingC): Cap6.1 H13.10 R22.2
Net-(H13-TimingD): Cap5.1 H13.15 R21.2
Net-(H14-I1): H14.3 J14.2
Net-(H14-I2): H14.2 J14.3
Net-(H14-I3): H14.1 J14.4
Net-(J1-I0b): H1.11 J1.5
Net-(J1-I0d): H1.8 J1.11
Net-(J2-PadT): J2.T R18.2 R19.1
Net-(J13A-D): J13.2 J13.6
Net-(J13A-Q): Cap11.1 J13.5
Net-(J13B-D): J13.8 J13.12 R19.2
Net-(J18-Pin_3): J18.3 Q3.1 R11.1
Net-(JP1-B): A2.11 JP1.3
Net-(K13-+): K13.3 R15.1 R16.2
Net-(K13--): Cap10.2 K13.2 R17.2
Net-(K13-Pad6): K13.6 R15.2 R29.1
Net-(K14-Pad2): K14.2 R10.2
Net-(Q1-C): Q1.3 R2.1 Y1.1
Net-(Q1-E): Q1.1 Q2.1 R1.2
Net-(Q2-B): Q2.2 R4.2 Y1.2
Net-(Q2-C): B2.10 Q2.3 R3.1
Net-(Q3-C): Q3.2 R9.2
Net-(Q4-C): Q4.3 R25.2
Net-(R10-Pad1): R10.1 R11.2
Net-(SLOT0-Pin_23): SLOT0.23 SLOT1.28
Net-(SLOT0-Pin_24): SLOT0.24 SLOT1.27
Net-(SLOT1-Pin_23): SLOT1.23 SLOT2.28
Net-(SLOT1-Pin_24): SLOT1.24 SLOT2.27
Net-(SLOT2-Pin_23): SLOT2.23 SLOT3.28
Net-(SLOT2-Pin_24): SLOT2.24 SLOT3.27
Net-(SLOT4-Pin_23): SLOT4.23 SLOT5.28
Net-(SLOT4-Pin_24): SLOT4.24 SLOT5.27
Net-(SLOT5-Pin_23): SLOT5.23 SLOT6.28
Net-(SLOT5-Pin_24): SLOT5.24 SLOT6.27
Net-(SLOT6-Pin_23): SLOT6.23 SLOT7.28
Net-(SLOT6-Pin_24): SLOT6.24 SLOT7.27

Pads without a net: A2 8; A5 2 3 9 13 23; A7 4 9 14 16; A9 6; B1 11; B3 5; B4 12 14; B5 14 15; B9 12 14; B10 6 8 12; B14 1 2 3 4 5 6 7 9 10 11 12 13 14 15; C11 10 11; C14 1 2 3; CT3 3; D1 11; D2 3 11; D11 11; E1 11; E2 9; E14 9; F1 11; F2 7 9; H3 13 14; H7 5 7 35 36 39; H14 6; J0 G; J2 G; J3 13 14 15 16; J4 1 2 3 4 5 6 7 8 9 10 11 12 13 14 15 16 17 18 19 20 21 22 23 24 25; J5 1 2 3 4 5 6 7 8 9 10 11 12 13 14 15 16 17 18 19 20 21 22 23 24 25; J6 1 2 3 4 5 6 7 8 9 10 11 12 13 14 15 16 17 18 19 20 21 22 23 24; J7 1 2 3 4 5 6 7 8 9 10 11 12 13 14 15 16 17 18 19 20 21 22 23 24; J13 9; J14 9 16; K13 1 5 8; K14 3; RA02 2; RA03 2; SLOT0 1 27 28; SLOT7 23 24

## Via types
v1: diameter 1.2, hole 0.6, Top to Bottom, 371 vias
v2: diameter 2, hole 1.2, Top to Bottom, 1 via
v3: diameter 0.6, hole 0.3, Top to Bottom, 1 via
v4: diameter 2.4, hole 1.2, Top to Bottom, 7 vias

## Routing (per net, layer and track width the routed paths; a pad name or vN(x,y) marks a point on that pad's centre or on a via; arc(x,y) is an arc through that point)
+5V: length 2064.4
  Top w0.3: 175.69,82.87 175.82,82.74 ; H13.5 182.6,253.57 180.06,251.03 H13.13 175.23,251.03 173.81,249.61 173.81,241.52 ; 22.02,43.46 22.15,43.33 ; 22.73,4.14 22.68,4.09 8.81,4.09 8.81,5.87 6.78,7.9 6.78,12.34 ; 139.5,197.13 139.37,197.01 ; E10.9 132.05,178.64 130.73,177.32 125.53,177.32 124.26,178.59 E9.9 117.91,178.59 116.64,177.32 111.56,177.32 110.29,178.59 E8.9 103.94,178.59 102.67,177.32 97.59,177.32 96.32,178.59 E7.9 89.97,178.59 88.7,177.32 83.74,177.32 82.42,178.64 E6.9 76.05,178.64 74.73,177.32 69.77,177.32 68.5,178.59 E5.9 62.15,178.59 60.88,177.32 55.68,177.32 54.41,178.59 E4.9 48.18,178.59 46.91,177.32 41.71,177.32 40.44,178.59 E3.9 ; Cap43.2 15.67,43.21 15.54,43.33 ; C1.16 9.83,84.61 10.98,85.76 20.24,85.76 21.39,84.61 C2.16 ; D10.9 131.34,141.76 130.02,140.44 125.55,140.44 124.18,141.81 D9.9 117.88,141.81 116.68,140.61 111.46,140.61 110.31,141.76 D8.9 103.76,141.76 102.54,140.54 97.61,140.54 96.39,141.76 D7.9 89.89,141.76 88.57,140.44 83.85,140.44 82.52,141.76 D6.9 75.92,141.76 74.65,140.49 69.82,140.49 68.55,141.76 D5.9 61.95,141.76 60.73,140.54 55.8,140.54 54.58,141.76 D4.9 48.08,141.76 46.81,140.49 42.39,140.49 41.12,141.76 D3.9 ; 100.13,3.84 100.15,3.86 ; C10.9 131.88,102.39 130.73,101.24 125.53,101.24 124.38,102.39 C9.9 117.91,102.39 116.76,101.24 111.56,101.24 110.41,102.39 C8.9 103.81,102.39 102.71,101.29 98.3,101.29 97.15,102.44 C7.9 90.02,102.44 88.82,101.24 83.62,101.24 82.47,102.39 C6.9 76,102.39 74.9,101.29 69.48,101.29 68.33,102.44 C5.9 62.08,102.44 60.88,101.24 55.56,101.24 54.41,102.39 C4.9 47.29,102.39 46.02,101.12 41.96,101.12 40.69,102.39 C3.9 ; B3.4 44.88,52.86 45.54,53.52 R12.2 ; 148.46,122.12 148.51,122.07 ; RA02.1 D11.16 ; 150.89,122.03 150.93,122.07 ; 189.66,201.7 189.53,201.57 ; v1(19.48,151.28) v1(36.63,151.28) ; 189.08,124.03 189.03,123.98
  Top w0.6: 175.69,82.87 176.28,82.87 176.4,82.74 C13.14 ; 119.18,197.01 120.42,197.01 ROM-D8.24 ; 161.21,122.07 161.21,123.98 D12.16 ; 189.66,201.7 190.25,201.7 190.37,201.57 190.32,201.63 F14.16 ; D11.16 148.46,122.12 ; 147.75,241.52 148.36,241.52 H11.16 ; 35.86,43.33 36.65,43.33 B3.8 ; B9.16 120.47,43.48 120.62,43.33 ; 63.3,241.52 64.59,241.52 64.64,241.57 H5.16 ; A10.16 134.39,4.44 134.04,4.09 133.78,4.09 ; 105.97,3.96 106.5,4.5 A8.16 ; 92.58,43.33 B7.16 ; 189.46,241.52 190.32,241.52 190.37,241.57 H14.16 ; H12.16 162.38,241.57 162.33,241.52 161.47,241.52 ; 8.37,241.52 8.66,241.81 H1.14 ; 175.06,122.07 175.06,123.98 D13.16 ; 133.22,241.52 134.44,241.52 134.49,241.57 H10.16 ; ROM-F0.24 58.24,197.06 58.19,197.01 56.95,197.01 ; 22.15,43.33 8.71,43.33 B1.16 ; H4.16 50.62,241.52 49.33,241.52 ; 78.54,197.01 79.78,197.01 79.83,197.06 ROM-E8.24 ; 189.03,123.98 189.03,122.07 ; F2.16 22.73,197.05 ; B3.4 43.74,52.86 41.83,54.76 35.48,54.76 33.45,52.73 R28.1 33.32,43.33 ; D14.16 189.08,124.03 ; ROM-D0.24 140.84,197.01 140.72,197.13 139.5,197.13 ; 176.35,43.33 B13.14 ; ROM-F8.24 36.55,198.91 36.55,197.13 ; 78.56,43.33 B6.16 ; 21.39,241.52 22.68,241.52 22.73,241.57 H2.16 ; 35.36,241.52 36.65,241.52 36.7,241.57 H3.16 ; A3.16 36.7,4.01 ; A7.1 100.15,3.86 ; 22.02,43.46 22.56,43.46 22.68,43.33 B2.14 ; 161.98,201.57 162.43,202.03 F12.16 ; C12.16 162.43,82.79 162.38,82.74 161.72,82.74 ; B4.16 50.62,43.33 ; J3.2 86.03,3.96 ; 119.81,3.96 120.24,3.96 120.52,4.24 A9.16 ; 175.69,201.57 176.35,202.23 F13.16 ; Cap33.2 150.89,122.03 ; A2.14 22.73,4.14 ; ROM-E0.24 100.15,197.06 100.1,197.01 98.86,197.01 ; 64.59,43.33 B5.16 ; 190.32,43.33 B14.16 ; 190.27,82.74 C14.14 ; 106.5,43.33 B8.16
  Top w1.2: 161.09,158.94 162.33,158.94 162.43,159.04 E12.16 ; 161.09,158.94 148.5,158.94 148.41,159.03 E11.16 ; 161.09,158.94 175.06,158.94 ; 208.76,267.49 v1(208.71,267.49) J14.1 ; Cap19.2 208.65,241.52 v1(129.16,241.52) v1(113,241.52) 31.55,241.52 ; C11.14 148.36,83.24 148.87,82.73 148.88,82.74 Cap41.2 ; 148.41,43.33 162.38,43.33 ; 148.41,43.33 B11.14 ; 148.41,43.33 134.49,43.33 ; 162.38,43.33 208.84,43.33 ; 162.38,43.33 162.43,43.38 B12.14 ; Cap18.2 31.51,241.48 31.55,241.52 ; E14.16 190.32,158.94 189.03,158.94 ; 134.49,43.33 134.44,43.38 B10.14 ; 134.49,43.33 v1(97.59,43.33) 13.77,43.33 ; 189.03,158.94 175.06,158.94 ; 189.03,158.94 208.71,158.94 ; 175.06,158.94 176.3,158.94 176.35,158.99 E13.16 ; 31.55,241.52 8.37,241.52 ; 148.51,122.07 Cap32.2 ; Cap47.2 206.17,12.22
  Top w1.8: 35.61,197.01 157.92,197.01 161.98,201.57 208.58,201.57 ; 25.15,197.01 22.78,197.01 22.73,197.05 ; 25.24,197.01 35.51,197.01 ; 25.28,196.97 Cap17.2
  Bottom w0.3: R4.1 19.48,16.14 Q1.2 ; R4.1 23.29,23.01 24.56,21.74 24.56,7.14 A2.14 ; R4.1 Cap1.1 ; C5.9 64.44,102.64 Cap35.2 ; 212.35,158.94 212.39,158.9 ; v1(97.59,43.33) 96.95,43.97 96.95,58.57 95.17,60.35 Cap45.2 ; J13.14 177.01,291.67 178.23,292.89 178.23,319.61 K13.7 179.63,324.76 179.63,341.53 ; B1.16 6.78,47.17 6.78,82.68 C1.16 ; D2.14 20.09,121.34 20.09,87.2 C2.16 ; D3.9 37.9,143 37.9,150.01 v1(36.63,151.28) ; v1(19.48,151.28) 19.48,153.19 20.12,153.82 20.12,157.12 22.73,159.74 E2.16 ; JP2.3 129.14,241.5 v1(129.16,241.52) ; H7.8 112.85,256.11 112.85,241.67 v1(113,241.52) ; J1.16 6.15,277.62 6.15,245.26 H1.14 ; E5.9 64.59,184.02 Cap4.2 64.57,184.3 ; ROM-D8.24 120.42,192.96 120.45,192.94 120.45,192.68 E10.9 137.59,175.54 137.59,144.91 D10.9 137.64,138.56 137.64,116.97 134.49,113.82 C10.9 ; D5.9 Cap27.2
  Bottom w0.6: R9.1 212.47,302.44 ; B4.16 50.62,26.24 A5.24
  Bottom w0.75: 128.09,345.36 128.09,346.23 147.14,346.23 ; 128.09,345.36 128.02,345.29 SLOT5.25 ; 128.09,345.36 109.04,345.36 ; 147.14,346.23 147.04,346.13 SLOT6.25 ; 147.14,346.23 166.09,346.23 ; 89.99,350.04 89.76,349.81 SLOT3.25 ; 89.99,350.04 109.04,350.04 109.04,345.36 ; 89.99,350.04 70.94,350.04 ; RA01.1 170,345.06 166.09,346.23 ; SLOT1.25 51.77,349.91 51.89,350.04 ; SLOT7.25 166.09,346.23 ; 32.84,350.04 11.2,350.04 ; 32.84,350.04 SLOT0.25 ; 32.84,350.04 51.89,350.04 ; 70.94,350.04 70.92,350.01 70.92,341.2 ; 70.94,350.04 51.89,350.04 ; 109.04,345.36 108.81,345.14 SLOT4.25
  Bottom w0.9: SPKR1.2 212.36,37.65
  Bottom w1.2: 208.71,158.94 212.35,158.94 ; Cap19.2 212.39,241.45 ; v1(208.71,267.49) 212.42,267.49 ; Cap42.2 212.35,43.37 ; Cap47.2 212.65,12.22 ; Cap32.2 212.52,122.07 ; Cap41.2 212.48,82.74
  Bottom w1.8: 208.58,201.57 212.52,201.57
